# KiCad board BarnacleBoard.kicad_pcb
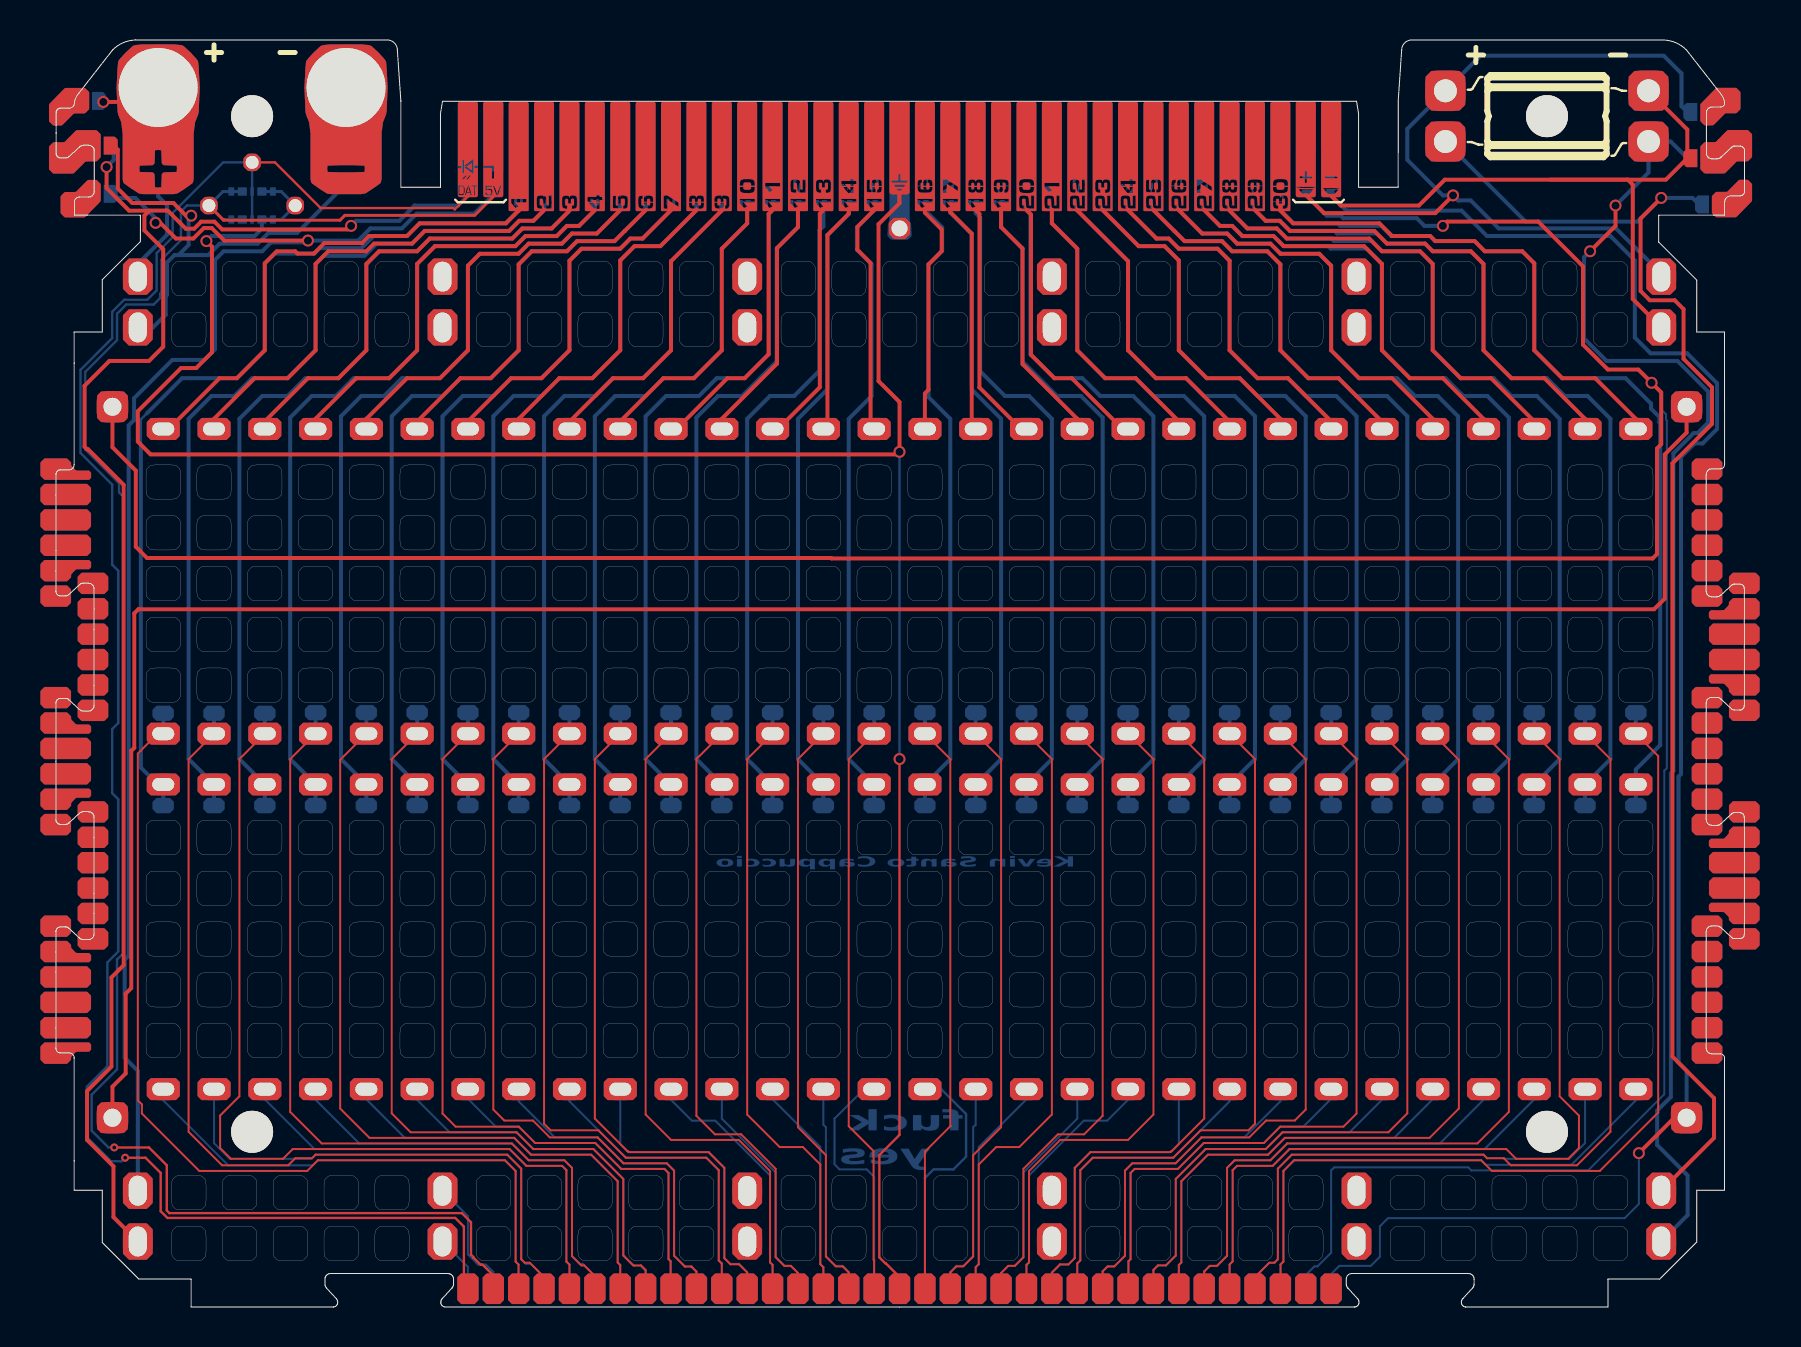
[diagram p0: board, top side]
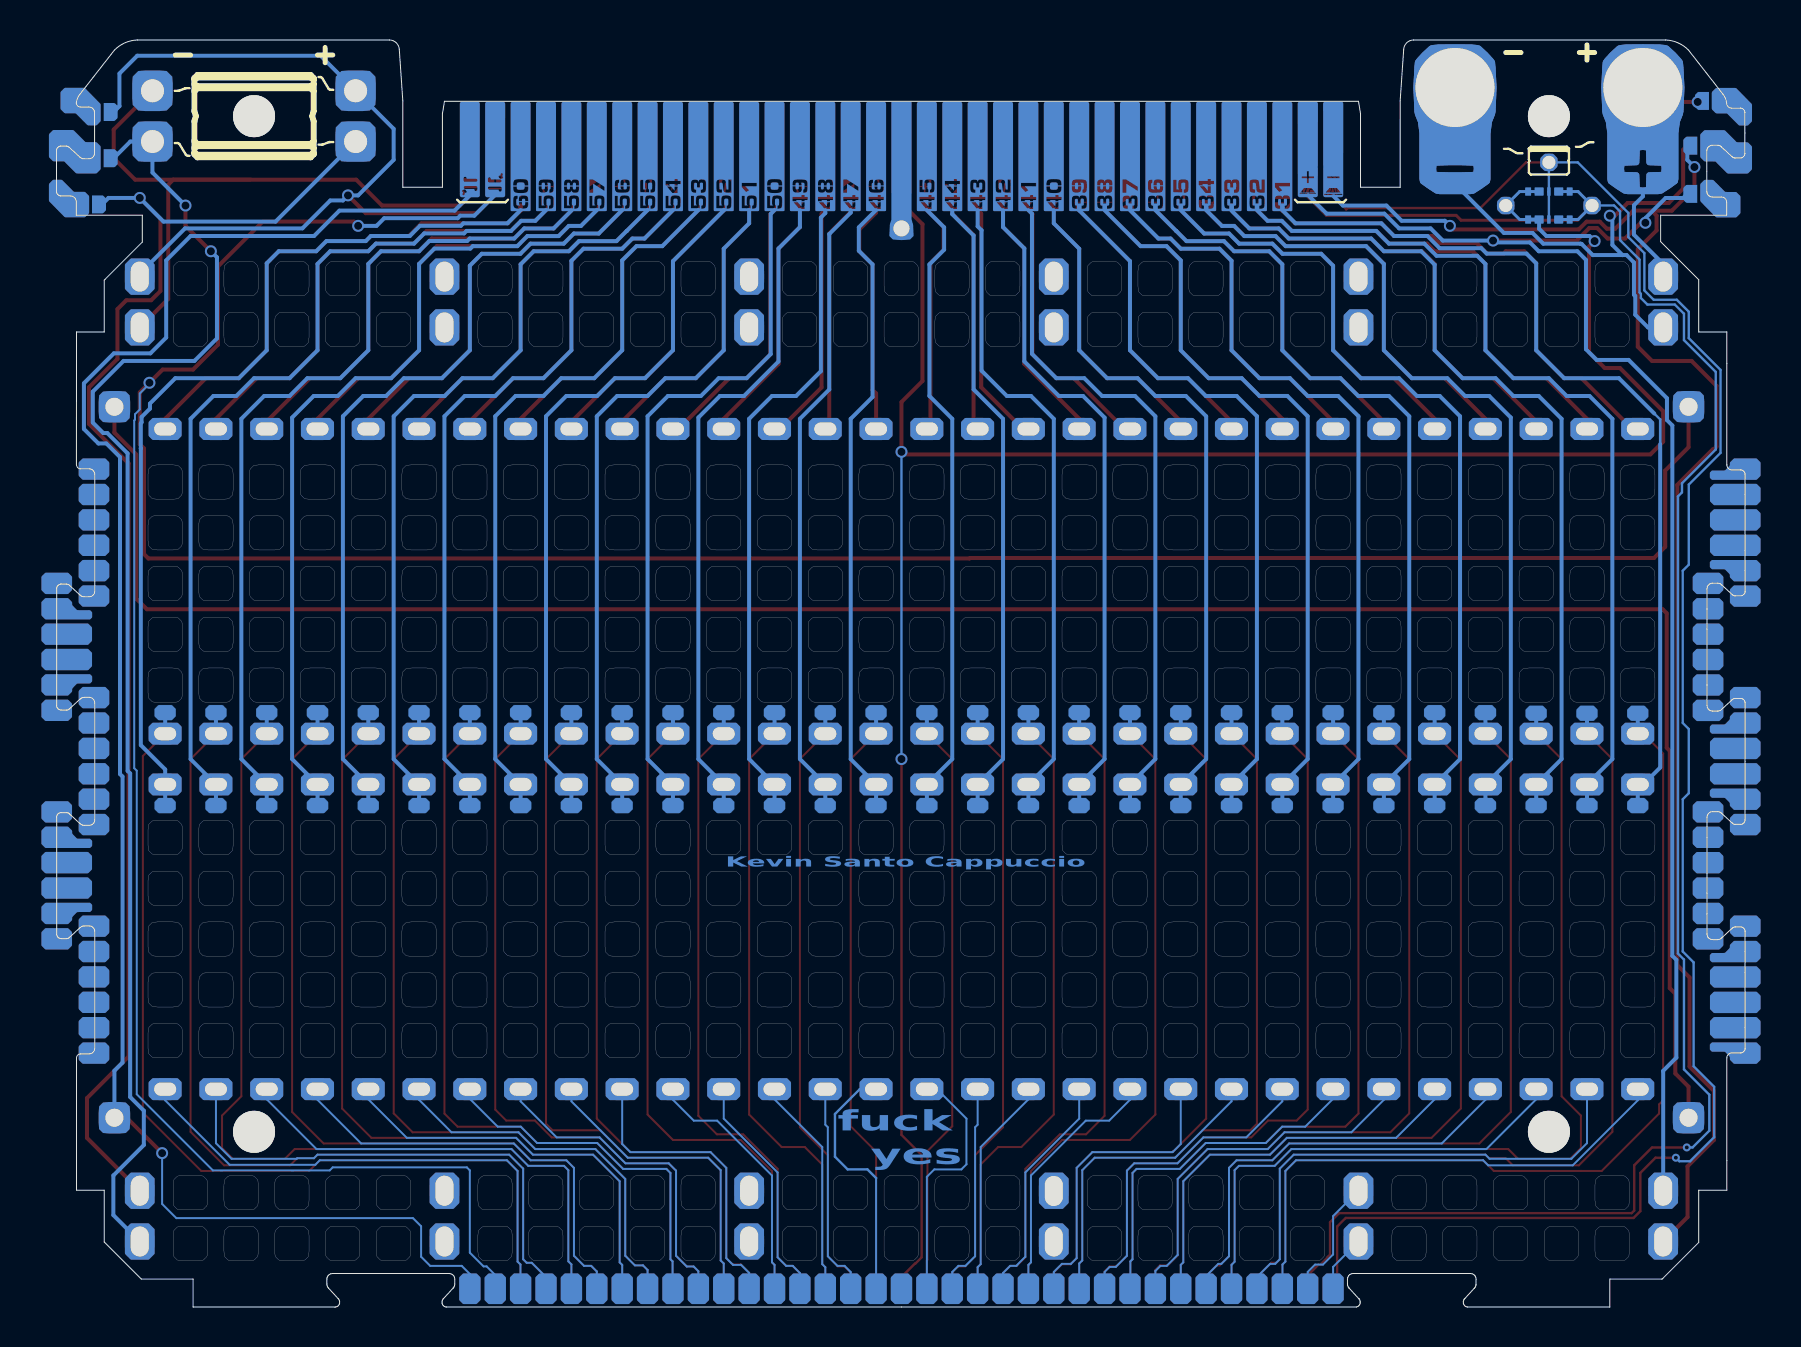
[diagram p1: board, bottom side, seen from below]

Outline 84.46 x 63.37 mm; copper layers: Top, Bottom. Coordinates in mm from the lower left corner of the outline.
Outline path: 0.91,42.12 0.91,48.77 2.32,48.77 2.32,51.38 4.22,53.29 4.22,54.61 0.92,54.61 0.92,55.27 ; 0.91,12.46 0.91,5.84 2.32,5.84 ; 0.92,60.22 arc(0.98,60.45) 1.1,60.66 2.83,62.87 arc(3.35,63.23) 3.97,63.37 16.58,63.37 arc(16.92,63.23) 17.08,62.9 17.25,60.33 ; 2.32,5.84 2.32,3.23 4.15,1.4 6.76,1.4 6.76,0 ; 67.14,60.33 67.32,62.9 arc(67.47,63.23) 67.82,63.37 80.42,63.37 arc(81.04,63.23) 81.57,62.87 83.29,60.66 arc(83.41,60.45) 83.47,60.22 ; 77.63,0 77.63,1.4 80.22,1.4 82.08,3.25 82.08,5.84 ; 82.08,5.84 83.46,5.84 83.46,12.46 ; 83.47,42.13 83.46,48.77 82.08,48.77 82.08,51.36 80.17,53.26 80.17,54.61 83.47,54.61 83.47,55.27
Stack: Top 0.035mm / dielectric 1.51mm FR4 er 4.5 / Bottom 0.035mm

## Placement (name value [footprint] x y rotation side)
J1  Conn_02x35_Top_Bottom  [HEE70LP03BK_NumberedPads_symm]  42.2 56.01 0 top
J2  pad_sense_1  [PinHeader_1x1_Smaller]  2.83 45.03 90 top
J3  pad_sense_30  [PinHeader_1x1_Smaller]  81.57 45.03 90 top
J4  pad_sense_60  [PinHeader_1x1_Smaller]  81.57 9.47 90 top
J5  pad_sense_31  [PinHeader_1x1_Smaller]  2.83 9.47 90 top
J6  Conn_02x35_Top_Bottom  [SideConnect_sparserrr_Bottom]  77.63 0 0 top
J11  Connector_Breadboard  [Breadboard_CustomClips_CorrectPins_2]  42.2 27.41 0 top
J12  Conn_02x03_Top_Bottom  [SideConnect_short_right]  83.47 57.68 0 top
J13  Conn_02x03_Top_Bottom  [SideConnect_short_left]  0.92 57.79 0 top
J14  Conn_01x06  [GT-B0353FSV06-02B0201]  9.81 55.09 0 bottom
J15  Conn_01x01  [PinHeader_1x1_Smallest]  42.2 53.95 270 bottom
JP3  SolderJumper_2_Open  [SolderJumper_2_Open_Small]  1.61 60.33 0 bottom
JP4  SolderJumper_2_Open  [SolderJumper_2_Open_Small]  2.19 58.09 0 bottom
JP5  SolderJumper_2_Open  [SolderJumper_2_Open_Small]  2.19 55.68 0 bottom
JP6  SolderJumper_2_Open  [SolderJumper_2_Open_Small]  2.19 58.09 180 top
JP7  SolderJumper_2_Open  [SolderJumper_2_Open_Small]  82.3 59.77 180 bottom
JP8  SolderJumper_2_Open  [SolderJumper_2_Open_Small]  82.3 57.46 180 bottom
JP9  SolderJumper_2_Open  [SolderJumper_2_Open_Small]  82.89 55.15 180 bottom
JP10  SolderJumper_2_Open  [SolderJumper_2_Open_Small]  82.3 57.46 0 top
REF**  -  [BreadboardLEDHole]  21.88 5.72 90 top
REF**1  -  [BreadboardLEDHole]  5.37 41.28 0 top
REF**1#2  -  [BreadboardLEDHole]  5.37 23.5 0 top
REF**2  -  [BreadboardLEDHole]  7.91 23.5 0 top
REF**2#2  -  [BreadboardLEDHole]  7.91 41.28 0 top
REF**3  -  [BreadboardLEDHole]  10.45 41.28 0 top
REF**3#2  -  [BreadboardLEDHole]  10.45 23.5 0 top
REF**4  -  [BreadboardLEDHole]  12.99 41.28 0 top
REF**5  -  [BreadboardLEDHole]  15.53 41.28 0 top
REF**5#2  -  [BreadboardLEDHole]  15.53 23.5 0 top
REF**6  -  [BreadboardLEDHole]  18.07 23.5 0 top
REF**6#2  -  [BreadboardLEDHole]  18.07 41.28 0 top
REF**7  -  [BreadboardLEDHole]  20.61 41.28 0 top
REF**7#2  -  [BreadboardLEDHole]  20.61 23.5 0 top
REF**8  -  [BreadboardLEDHole]  23.15 41.28 0 top
REF**8#2  -  [BreadboardLEDHole]  23.15 23.5 0 top
REF**9  -  [BreadboardLEDHole]  25.69 41.28 0 top
REF**9#2  -  [BreadboardLEDHole]  25.69 23.5 0 top
REF**10  -  [BreadboardLEDHole]  28.23 23.5 0 top
REF**10#2  -  [BreadboardLEDHole]  28.23 41.28 0 top
REF**11  -  [BreadboardLEDHole]  30.77 23.5 0 top
REF**11#2  -  [BreadboardLEDHole]  30.77 41.28 0 top
REF**12  -  [BreadboardLEDHole]  33.31 41.28 0 top
REF**12#2  -  [BreadboardLEDHole]  33.31 23.5 0 top
REF**13  -  [BreadboardLEDHole]  35.85 23.5 0 top
REF**13#2  -  [BreadboardLEDHole]  35.85 41.28 0 top
REF**14  -  [BreadboardLEDHole]  38.39 41.28 0 top
REF**14#2  -  [BreadboardLEDHole]  38.39 23.5 0 top
REF**15  -  [BreadboardLEDHole]  40.93 23.5 0 top
REF**15#2  -  [BreadboardLEDHole]  40.93 41.28 0 top
REF**16  -  [BreadboardLEDHole]  43.47 41.28 0 top
REF**16#2  -  [BreadboardLEDHole]  43.47 23.5 0 top
REF**17  -  [BreadboardLEDHole]  46.01 41.28 0 top
REF**17#2  -  [BreadboardLEDHole]  46.01 23.5 0 top
REF**18  -  [BreadboardLEDHole]  48.55 41.28 0 top
REF**18#2  -  [BreadboardLEDHole]  48.55 23.5 0 top
REF**19  -  [BreadboardLEDHole]  51.09 41.28 0 top
REF**19#2  -  [BreadboardLEDHole]  51.09 23.5 0 top
REF**20  -  [BreadboardLEDHole]  53.63 41.28 0 top
REF**20#2  -  [BreadboardLEDHole]  53.63 23.5 0 top
REF**21  -  [BreadboardLEDHole]  56.17 41.28 0 top
REF**21#2  -  [BreadboardLEDHole]  56.17 23.5 0 top
REF**22  -  [BreadboardLEDHole]  58.71 41.28 0 top
REF**22#2  -  [BreadboardLEDHole]  58.71 23.5 0 top
REF**23  -  [BreadboardLEDHole]  61.25 23.5 0 top
REF**23#2  -  [BreadboardLEDHole]  61.25 41.28 0 top
REF**24  -  [BreadboardLEDHole]  63.79 23.5 0 top
REF**24#2  -  [BreadboardLEDHole]  63.79 41.28 0 top
REF**25  -  [BreadboardLEDHole]  66.33 23.5 0 top
REF**25#2  -  [BreadboardLEDHole]  66.33 41.28 0 top
REF**26  -  [BreadboardLEDHole]  68.87 23.5 0 top
REF**26#2  -  [BreadboardLEDHole]  68.87 41.28 0 top
REF**27  -  [BreadboardLEDHole]  71.41 23.5 0 top
REF**27#2  -  [BreadboardLEDHole]  71.41 41.28 0 top
REF**28  -  [BreadboardLEDHole]  73.95 41.28 0 top
REF**28#2  -  [BreadboardLEDHole]  73.95 23.5 0 top
REF**29  -  [BreadboardLEDHole]  37.12 3.18 90 top
REF**29#2  -  [BreadboardLEDHole]  67.6 48.9 90 top
REF**29#3  -  [BreadboardLEDHole]  52.36 48.9 90 top
REF**29#4  -  [BreadboardLEDHole]  37.12 48.9 90 top
REF**29#5  -  [BreadboardLEDHole]  6.64 48.9 90 top
REF**29#6  -  [BreadboardLEDHole]  67.6 3.18 90 top
REF**29#7  -  [BreadboardLEDHole]  21.88 48.9 90 top
REF**29#8  -  [BreadboardLEDHole]  21.88 3.18 90 top
REF**29#9  -  [BreadboardLEDHole]  76.49 41.28 0 top
REF**29#10  -  [BreadboardLEDHole]  6.64 3.18 90 top
REF**29#11  -  [BreadboardLEDHole]  76.49 23.5 0 top
REF**29#12  -  [BreadboardLEDHole]  52.36 3.18 90 top
REF**#2  -  [BreadboardLEDHole]  12.99 23.5 0 top
REF**#3  -  [BreadboardLEDHole]  79.03 41.28 0 top
REF**#4  -  [BreadboardLEDHole]  37.12 5.72 90 top
REF**#5  -  [BreadboardLEDHole]  79.03 23.5 0 top
REF**#6  -  [BreadboardLEDHole]  67.6 5.72 90 top
REF**#7  -  [SideConnect_sparserrr_left_1]  83.46 12.46 0 top
REF**#8  -  [SideConnect_sparserrr_right_1]  0.91 12.46 0 top
REF**#9  -  [BreadboardLEDHole]  52.36 5.72 90 top
REF**#10  -  [MountingHole_2.7mm_M2.5]  9.81 8.76 0 top
REF**#11  -  [BreadboardLEDHole]  37.12 51.44 90 top
REF**#12  -  [MountingHole_2.7mm_M2.5]  74.58 59.56 0 top
REF**#13  -  [BreadboardLEDHole]  52.36 51.44 90 top
REF**#14  -  [MountingHole_2.7mm_M2.5]  74.58 8.76 0 top
REF**#15  -  [BreadboardLEDHole]  67.6 51.44 90 top
REF**#16  -  [BreadboardLEDHole]  21.88 51.44 90 top
REF**#17  -  [BreadboardLEDHole]  6.64 51.44 90 top
REF**#18  -  [BreadboardLEDHole]  6.64 5.72 90 top
REF**#19  -  [MountingHole_2.7mm_M2.5]  9.81 59.56 0 top
TP16  LED DIN  [PinHeader_1x1_0.6mm_tinyAF]  9.81 57.25 0 top
TP18  LED 5V  [PinHeader_1x1_0.6mm_tinyAF]  7.65 55.09 0 bottom
TP19  LED GND  [PinHeader_1x1_0.6mm_tinyAF]  11.97 55.09 0 bottom
TP24  TOP_POS_RAIL  [Pad_Clip_Banana_PlusSmaller_topBottom]  5.11 61 0 top
TP25  TOP_POS_RAIL  [PINHEADER_Larger_Pad]  69.5 60.83 90 top
TP26  TOP_NEG_RAIL  [Pad_Clip_Banana_MinusSmaller_topBottom]  14.51 61 0 top
TP27  TOP_NEG_RAIL  [PINHEADER_Larger_Pad]  79.66 60.83 90 top
TP29  BOTTOM_POS_RAIL  [PINHEADER_Larger_Pad]  69.5 58.29 90 top
TP31  BOTTOM_NEG_RAIL  [PINHEADER_Larger_Pad]  79.66 58.29 90 top

## Library data of the parts
J1 J6 = -: ki_fp_filters: Connector*:*_2x??_*
J2-J5 = -: Description: Generic connector, single row, 01x01, script generated; ki_fp_filters: Connector*:*_1x??_*
J12 J13 = -: Description: Generic connector, double row, 02x03, top/bottom pin numbering scheme (row 1: 1...pins_per_row, row2: pins_per_row+1 ... num_pins), script generated (kicad-library-utils/schlib/autogen/connector/); ki_fp_filters: Connector*:*_2x??_*
J14 = -: Description: Generic connector, single row, 01x06, script generated (kicad-library-utils/schlib/autogen/connector/); ki_fp_filters: Connector*:*_1x??_*
J15 = -: Description: Generic connector, single row, 01x01, script generated (kicad-library-utils/schlib/autogen/connector/); ki_fp_filters: Connector*:*_1x??_*
JP3-JP10 = -: Description: Solder Jumper, 2-pole, open; ki_fp_filters: SolderJumper*Open*
TP16 TP18 TP19 TP24-TP27 TP29 TP31 = -: Description: test point; ki_fp_filters: Pin* Test*

## Footprints (pads in the part's own frame, mm; a bottom-side part is the same pattern mirrored in y, then rotated)
Breadboard_CustomClips_CorrectPins_2
  custom 1.657x1.11 hole 1.45x0.65: 1(-36.83,16.51) 1(-36.83,1.27) 2(-34.29,16.51) 2(-34.29,1.27) 3(-31.75,16.51) 3(-31.75,1.27) 4(-29.21,16.51) 4(-29.21,1.27) 5(-26.67,16.51) 5(-26.67,1.27) 6(-24.13,16.51) 6(-24.13,1.27) 7(-21.59,16.51) 7(-21.59,1.27) 8(-19.05,16.51) 8(-19.05,1.27) 9(-16.51,16.51) 9(-16.51,1.27) 10(-13.97,16.51) 10(-13.97,1.27) 11(-11.43,16.51) 11(-11.43,1.27) 12(-8.89,16.51) 12(-8.89,1.27) 13(-6.35,16.51) 13(-6.35,1.27) 14(-3.81,16.51) 14(-3.81,1.27) 15(-1.27,16.51) 15(-1.27,1.27) 16(1.27,16.51) 16(1.27,1.27) 17(3.81,16.51) 17(3.81,1.27) 18(6.35,16.51) 18(6.35,1.27) 19(8.89,16.51) 19(8.89,1.27) 20(11.43,16.51) 20(11.43,1.27) 21(13.97,16.51) 21(13.97,1.27) 22(16.51,16.51) 22(16.51,1.27) 23(19.05,16.51) 23(19.05,1.27) 24(21.59,16.51) 24(21.59,1.27) 25(24.13,16.51) 25(24.13,1.27) 26(26.67,16.51) 26(26.67,1.27) 27(29.21,16.51) 27(29.21,1.27) 28(31.75,16.51) 28(31.75,1.27) 29(34.29,16.51) 29(34.29,1.27) 30(36.83,16.51) 30(36.83,1.27) 31(-36.83,-1.27) 31(-36.83,-16.51) 32(-34.29,-1.27) 32(-34.29,-16.51) 33(-31.75,-1.27) 33(-31.75,-16.51) 34(-29.21,-1.27) 34(-29.21,-16.51) 35(-26.67,-1.27) 35(-26.67,-16.51) 36(-24.13,-1.27) 36(-24.13,-16.51) 37(-21.59,-1.27) 37(-21.59,-16.51) 38(-19.05,-1.27) 38(-19.05,-16.51) 39(-16.51,-1.27) 39(-16.51,-16.51) 40(-13.97,-1.27) 40(-13.97,-16.51) 41(-11.43,-1.27) 41(-11.43,-16.51) 42(-8.89,-1.27) 42(-8.89,-16.51) 43(-6.35,-1.27) 43(-6.35,-16.51) 44(-3.81,-1.27) 44(-3.81,-16.51) 45(-1.27,-1.27) 45(-1.27,-16.51) 46(1.27,-1.27) 46(1.27,-16.51) 47(3.81,-1.27) 47(3.81,-16.51) 48(6.35,-1.27) 48(6.35,-16.51) 49(8.89,-1.27) 49(8.89,-16.51) 50(11.43,-1.27) 50(11.43,-16.51) 51(13.97,-1.27) 51(13.97,-16.51) 52(16.51,-1.27) 52(16.51,-16.51) 53(19.05,-1.27) 53(19.05,-16.51) 54(21.59,-1.27) 54(21.59,-16.51) 55(24.13,-1.27) 55(24.13,-16.51) 56(26.67,-1.27) 56(26.67,-16.51) 57(29.21,-1.27) 57(29.21,-16.51) 58(31.75,-1.27) 58(31.75,-16.51) 59(34.29,-1.27) 59(34.29,-16.51) 60(36.83,-1.27) 60(36.83,-16.51)
  custom 1.5x1.821 hole 0.9x1.6: 61(-38.1,24.13) 61(-22.86,24.13) 61(-7.62,24.13) 61(7.62,24.13) 61(22.86,24.13) 61(38.1,24.13) 62(-38.1,21.59) 62(-22.86,21.59) 62(-7.62,21.59) 62(7.62,21.59) 62(22.86,21.59) 62(38.1,21.59) 63(-38.1,-21.59) 63(-22.86,-21.59) 63(-7.62,-21.603) 63(7.62,-21.59) 63(22.86,-21.59) 63(38.1,-21.59) 64(-38.1,-24.13) 64(-22.86,-24.13) 64(-7.62,-24.13) 64(7.62,-24.13) 64(22.86,-24.13) 64(38.1,-24.13)
GT-B0353FSV06-02B0201
  rrect 0.18x0.42 smd: 1(0,-0.7) 2(0,0.7)
  rrect 0.46x0.42 smd: 3(-0.49,-0.7) 3(-0.49,0.7) 4(0.49,-0.7) 4(0.49,0.7)
  rrect 0.3x0.42 smd: 5(1.04,-0.7) 5(1.04,0.7) 6(-1.04,-0.7) 6(-1.04,0.7)
HEE70LP03BK_NumberedPads_symm
  custom 1x5.467 smd: 1(-19.05,-1.143) 2(-17.78,-1.143) 3(-16.51,-1.143) 4(-15.24,-1.143) 5(-13.97,-1.143) 6(-12.7,-1.143) 7(-11.43,-1.143) 8(-10.16,-1.143) 9(-8.89,-1.143) 10(-7.62,-1.143) 11(-6.35,-1.143) 12(-5.08,-1.143) 13(-3.81,-1.143) 14(-2.54,-1.143) 15(-1.27,-1.143) 16(1.27,-1.143) 17(2.54,-1.143) 18(3.81,-1.143) 19(5.08,-1.143) 20(6.35,-1.143) 21(7.62,-1.143) 22(8.89,-1.143) 23(10.16,-1.143) 24(11.43,-1.143) 25(12.7,-1.143) 26(13.97,-1.143) 27(15.24,-1.143) 28(16.51,-1.143) 29(17.78,-1.143) 30(19.05,-1.143)
  custom 1x5.467 smd far side: 31(-19.05,-1.143) 32(-17.78,-1.143) 33(-16.51,-1.143) 34(-15.24,-1.143) 35(-13.97,-1.143) 36(-12.7,-1.143) 37(-11.43,-1.143) 38(-10.16,-1.143) 39(-8.89,-1.143) 40(-7.62,-1.143) 41(-6.35,-1.143) 42(-5.08,-1.143) 43(-3.81,-1.143) 44(-2.54,-1.143) 45(-1.27,-1.143) 46(1.27,-1.143) 47(2.54,-1.143) 48(3.81,-1.143) 49(5.08,-1.143) 50(6.35,-1.143) 51(7.62,-1.143) 52(8.89,-1.143) 53(10.16,-1.143) 54(11.43,-1.143) 55(12.7,-1.143) 56(13.97,-1.143) 57(15.24,-1.143) 58(16.51,-1.143) 59(17.78,-1.143) 60(19.05,-1.143)
  custom 1.01x4.779 smd: 61(20.34,-0.4) 62(21.61,-0.45)
  custom 1.01x4.779 smd far side: 63(-20.345,-0.4) 64(-21.615,-0.45)
  custom 1.218x6.921 smd far side: 65(0,-2.489)
  custom 1x4.774 smd far side: 66(20.345,-0.4) 67(21.605,-0.42)
  custom 1.014x4.657 smd: 68(0,-0.254)
  custom 1.001x4.776 smd: 69(-21.57,-0.43)
  custom 1.01x4.78 smd: 70(-20.3,-0.45)
MountingHole_2.7mm_M2.5
  round 2.1 hole 2.1 unplated: (0,0)
Pad_Clip_Banana_MinusSmaller_topBottom
  custom 4.162x7.493 smd far side: 1(0,-5.207)
  custom 4.162x7.492 hole 3.95: 1(0,0)
  round 1 smd far side: 1(0,-4.826)
  rrect 1x1 smd: 1(0,-4.826)
Pad_Clip_Banana_PlusSmaller_topBottom
  rrect 0.1x0.1 smd: 1(0,-5.156)
  rrect 0.1x0.1 smd far side: 1(0,-5.156)
  custom 4.162x7.493 smd far side: 1(0,-5.156)
  custom 4.162x7.494 hole 3.95: 1(0,0)
PinHeader_1x1_0.6mm_tinyAF
  custom 0.883x0.883 hole 0.65: 1(0,0)
PinHeader_1x1_Smaller
  custom 1.578x1.578 hole 0.9: 1(0,0)
PinHeader_1x1_Smallest
  custom 1.07x1.07 hole 0.8: 1(0,0)
PINHEADER_Larger_Pad
  custom 2.028x2.028 hole 1.15: 1(0,0)
SideConnect_short_left
  custom 2.013x1.883 smd: 1(0.635,2.54) 3(1.27,-2.109)
  custom 2.59x2.176 smd: 2(1.27,0.305)
  custom 2.013x1.883 smd far side: 4(0.683,2.54) 6(1.268,-2.111)
  custom 2.59x2.176 smd far side: 5(1.268,0.302)
SideConnect_short_right
  custom 2.013x1.883 smd: 1(-1.169,2.089) 3(-0.587,-2.536)
  custom 2.59x2.176 smd: 2(-1.171,-0.225)
  custom 2.013x1.883 smd far side: 4(-1.169,2.089) 6(-0.585,-2.534)
  custom 2.59x2.176 smd far side: 5(-1.169,-0.222)
SideConnect_sparserrr_Bottom
  custom 1.071x1.534 smd: 1(-54.483,0.889) 2(-53.213,0.889) 3(-51.943,0.889) 4(-50.673,0.889) 5(-49.403,0.889) 6(-48.133,0.889) 7(-46.863,0.889) 8(-45.593,0.889) 9(-44.323,0.889) 10(-43.053,0.889) 11(-41.783,0.889) 12(-40.513,0.889) 13(-39.243,0.889) 14(-37.973,0.889) 15(-36.703,0.889) 16(-34.163,0.889) 17(-32.893,0.889) 18(-31.623,0.889) 19(-30.353,0.889) 20(-29.083,0.889) 21(-27.813,0.889) 22(-26.543,0.889) 23(-25.273,0.889) 24(-24.003,0.889) 25(-22.733,0.889) 26(-21.463,0.889) 27(-20.193,0.889) 28(-18.923,0.889) 29(-17.653,0.889) 30(-16.383,0.889) 61(-15.113,0.889) 62(-13.843,0.889) 68(-35.433,0.889) 69(-57.023,0.889) 70(-55.753,0.889)
  round 1.626 smd far side: 31(-54.483,0.889) 32(-53.213,0.889) 33(-51.943,0.889) 34(-50.673,0.889) 35(-49.403,0.889) 36(-48.133,0.889) 37(-46.863,0.889) 38(-45.593,0.889) 39(-44.323,0.889) 40(-43.053,0.889) 41(-41.783,0.889) 42(-40.513,0.889) 43(-39.243,0.889) 44(-37.973,0.889) 45(-36.703,0.889) 46(-34.163,0.889) 47(-32.893,0.889) 48(-31.623,0.889) 49(-30.353,0.889) 50(-29.083,0.889) 51(-27.813,0.889) 52(-26.543,0.889) 53(-25.273,0.889) 54(-24.003,0.889) 55(-22.733,0.889) 56(-21.463,0.889) 57(-20.193,0.889) 58(-18.923,0.889) 59(-17.653,0.889) 60(-16.383,0.889) 63(-55.753,0.889) 64(-57.023,0.889) 65(-35.433,0.889) 66(-15.113,0.889) 67(-13.843,0.889)
SideConnect_sparserrr_left_1
  round 1.626 smd far side: 6(-0.848,29.453) 6(-0.848,28.183) 6(-0.848,26.913) 6(-0.848,25.643) 6(-0.848,24.373) 6(-0.848,23.103) 6(-0.848,18.023) 6(-0.848,16.753) 6(-0.848,15.483) 6(-0.848,14.213) 6(-0.848,12.943) 6(-0.848,11.673) 6(-0.848,6.593) 6(-0.848,5.323) 6(-0.848,4.053) 6(-0.848,2.783) 6(-0.848,1.513) 6(-0.848,0.243) 6(0.965,22.468) 6(0.965,21.198) 6(0.965,19.928) 6(0.965,18.658) 6(0.965,17.388) 6(0.965,12.308) 6(0.965,11.038) 6(0.965,9.768) 6(0.965,8.498) 6(0.965,7.228) 6(0.965,5.958) 6(1.015,23.738)
  custom 1.534x1.071 smd: 6(-0.848,29.453) 6(-0.848,28.183) 6(-0.848,26.913) 6(-0.848,25.643) 6(-0.848,24.373) 6(-0.848,23.103) 6(-0.848,18.023) 6(-0.848,16.753) 6(-0.848,15.483) 6(-0.848,14.213) 6(-0.848,12.943) 6(-0.848,11.673) 6(-0.848,6.593) 6(-0.848,5.323) 6(-0.848,4.053) 6(-0.848,2.783) 6(-0.848,1.513) 6(-0.848,0.243) 6(0.965,23.738) 6(0.965,17.388) 6(0.965,12.308) 6(0.965,5.958)
  custom 2.539x1.071 smd: 6(0.965,22.468) 6(0.965,18.658) 6(0.965,11.038) 6(0.965,7.228)
  custom 2.534x1.071 smd: 6(0.965,21.198) 6(0.965,19.928) 6(0.965,9.768) 6(0.965,8.498)
SideConnect_sparserrr_right_1
  round 1.626 smd far side: 6(-0.897,29.451) 6(-0.897,28.181) 6(-0.897,26.911) 6(-0.897,25.641) 6(-0.897,24.371) 6(-0.897,23.101) 6(-0.897,18.021) 6(-0.897,16.751) 6(-0.897,15.481) 6(-0.897,14.211) 6(-0.897,12.941) 6(-0.897,11.671) 6(-0.897,6.591) 6(-0.897,5.321) 6(-0.897,4.051) 6(-0.897,2.781) 6(-0.897,1.511) 6(-0.897,0.241) 6(0.965,23.736) 6(0.965,22.466) 6(0.965,21.196) 6(0.965,19.926) 6(0.965,18.656) 6(0.965,17.386) 6(0.965,12.306) 6(0.965,11.036) 6(0.965,9.766) 6(0.965,8.496) 6(0.965,7.226) 6(0.965,5.956)